# Altium PCB tester_board.PcbDoc (part 2 of 4) (continued)
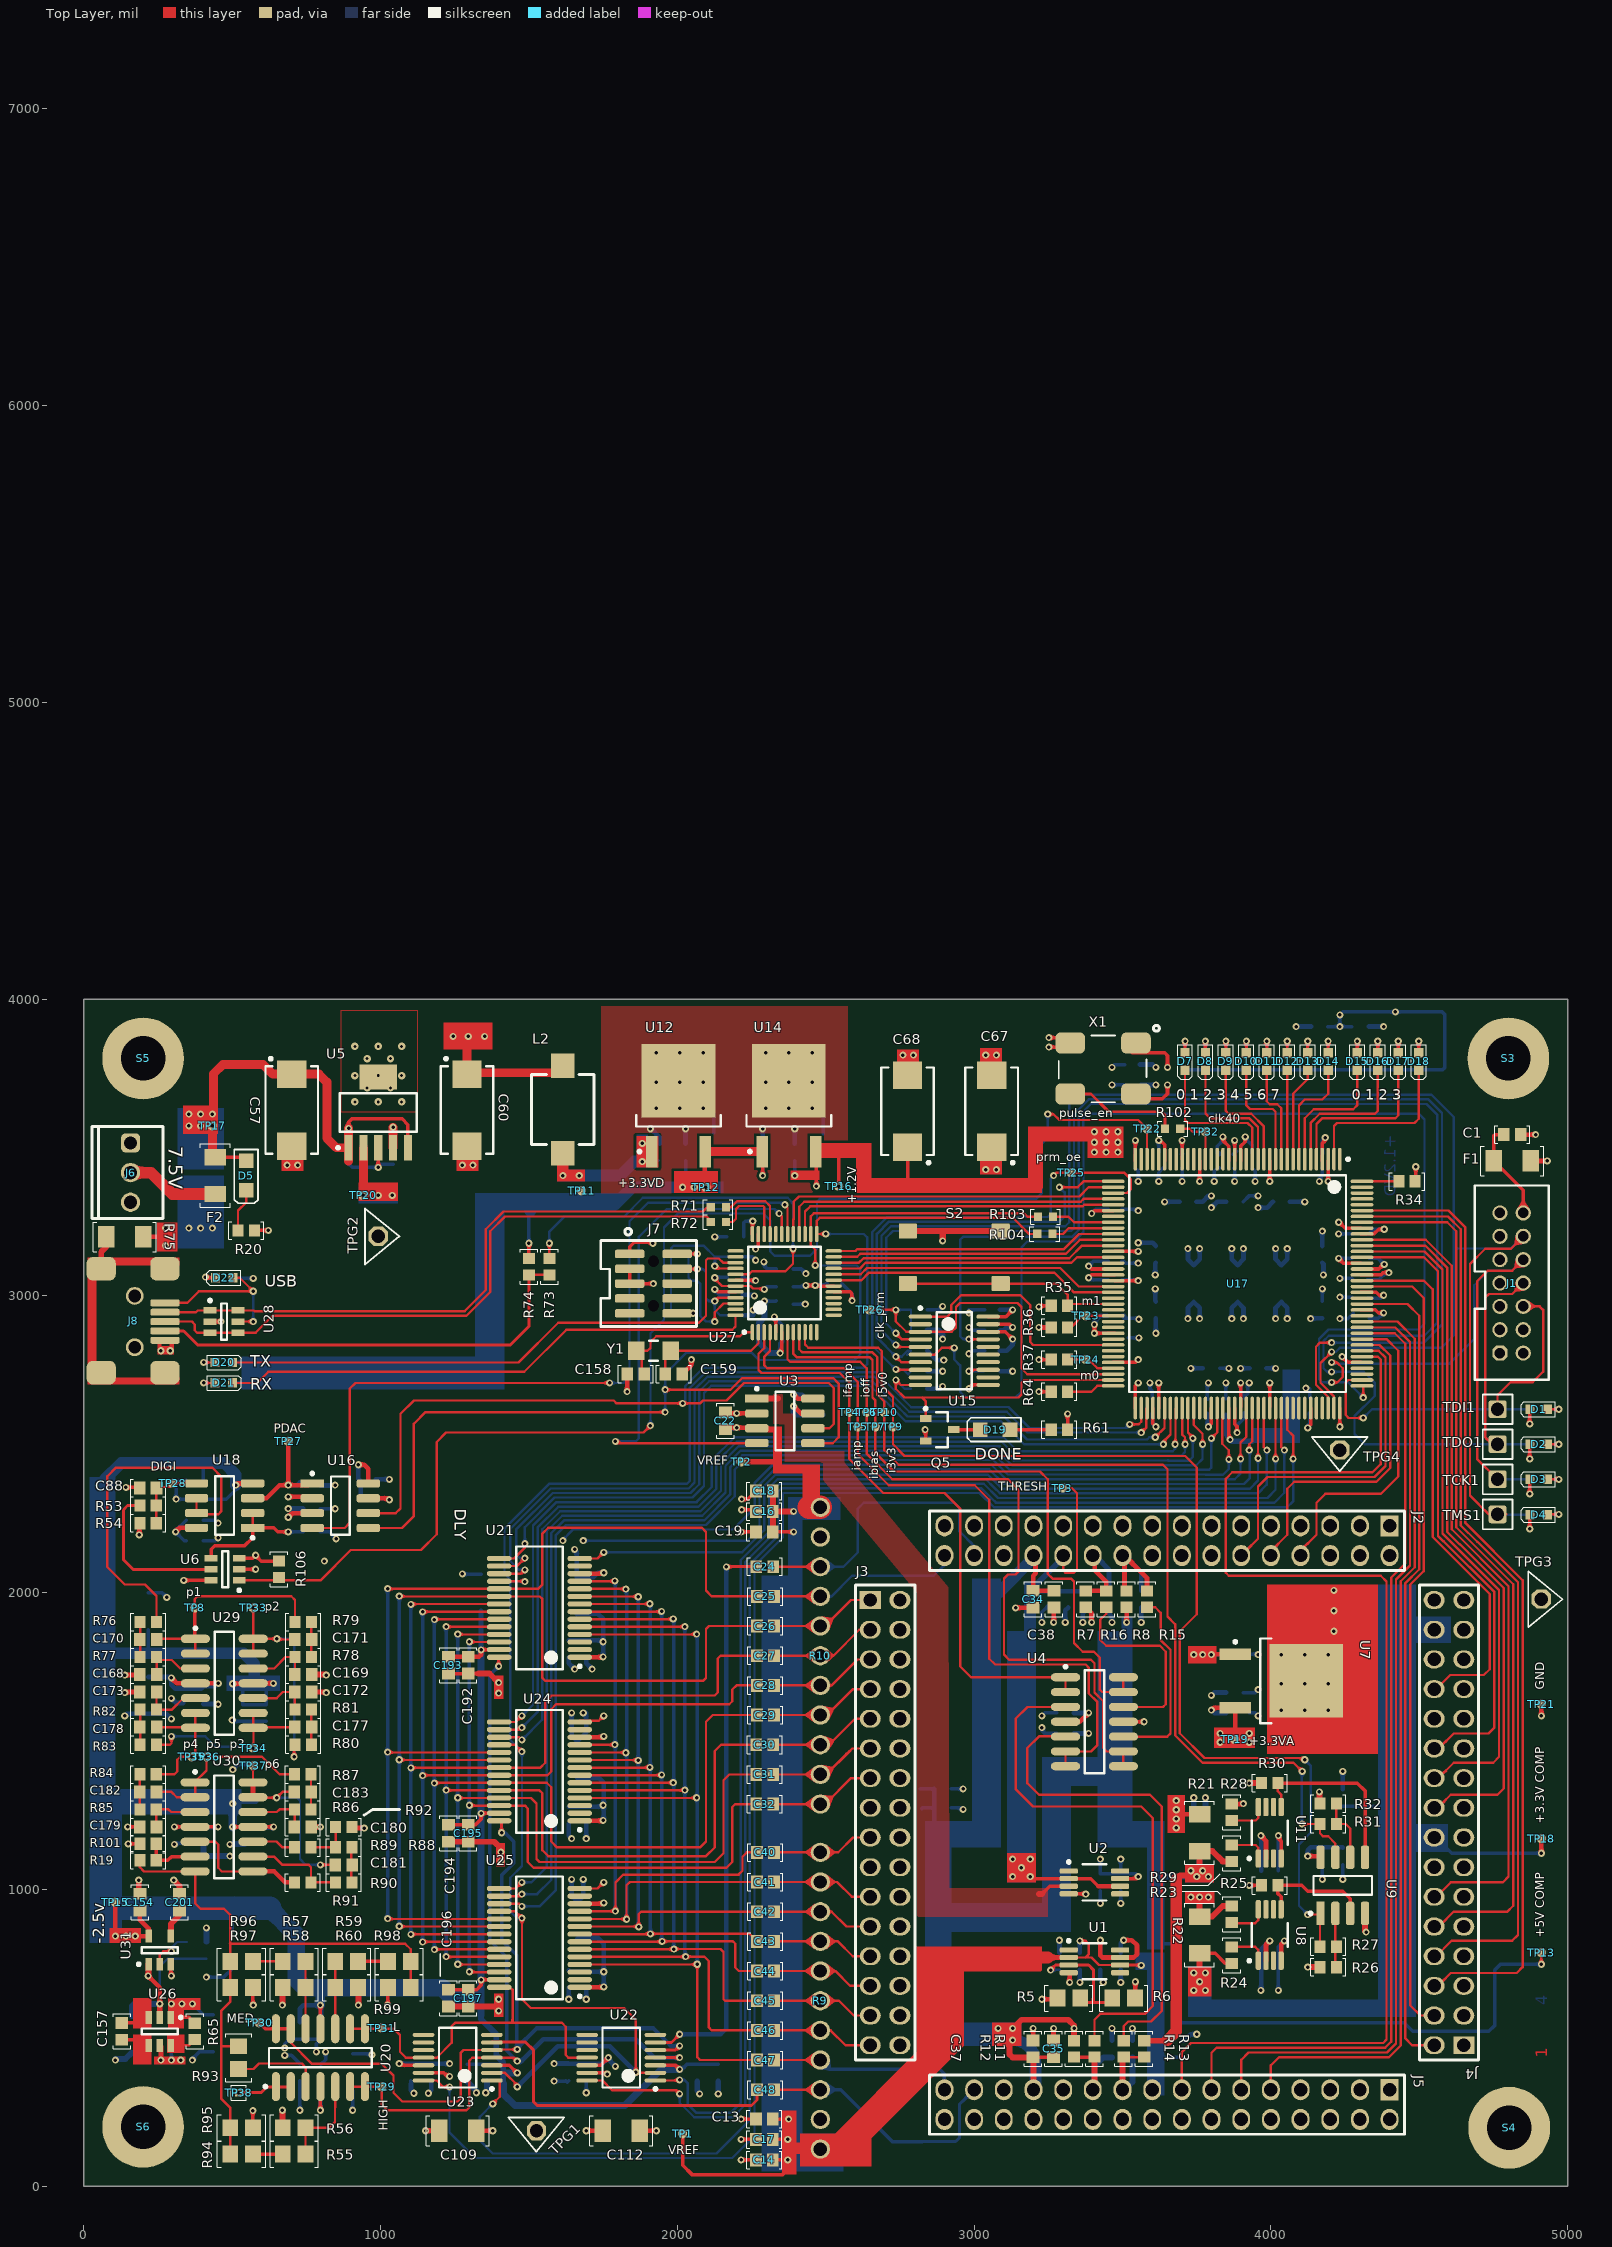
[diagram p0: Top Layer view]
## Nets (pads, with @x,y where several pads share a name; then routed paths per layer and width w, separated by ;. In a path a pad name is that pad's centre, name@x,y a point inside that pad or via, vN(x,y) a via of type N, cw(c..) or ccw(c..) an arc to the next point about the centre after c; other vN are vias at no path point)
3V3_COMP_SENSE: R27.1 TP9.1 U9.1 U27.10 | length 3785.4
  Top Layer w7.87: U27.10@2430.32,2877.71 2430.32,2836.06 2440.94,2825.43 2677.17,2825.43 2689.23,2813.37 2689.23,2696.85 2726.38,2659.7 TP9.1@2726.38,2559.06 2726.38,2500 2765.75,2460.63 3711.26,2460.63 3750,2421.89 3750,1926.91 3693.17,1870.08 3693.17,1526.13 3776.26,1443.04 4108.14,1443.04 v1(4114.17,1437.01) ; v1(4124.02,915.35) 4163.19,915.35 U9.1@4165.35,917.52 ; R27.1@4165.35,807.09 U9.1@4165.35,917.52 ; U9.1@4167.13,919.29 U9.1@4165.35,917.52
  Bottom Layer w7.87: v1(4114.17,1437.01) 4133.86,1417.32 4133.86,1190.94 4094.49,1151.57 4094.49,944.88 v1(4124.02,915.35)
5V_COMP_SENSE: R31.1 TP10.1 U9.7 U27.9 | length 3404.3
  Top Layer w7.87: U27.9@2410.63,2877.71 2410.63,2820.19 2421.26,2809.56 2657.48,2809.56 2673.35,2793.69 2673.35,2667.32 2696.85,2643.83 TP10.1@2696.85,2608.27 2696.85,2480.31 2746.06,2431.1 3636.33,2431.1 3651.57,2415.86 3651.57,1919.29 3677.29,1893.57 3677.29,1519.56 3769.69,1427.17 4076.17,1427.17 v1(4105.56,1397.77) ; v1(4104.33,1220.47) R31.1@4165.35,1220.47 4165.35,1188.98 4175.2,1179.13 4192.91,1179.13 4217.13,1154.92 U9.7@4217.13,1108.27
  Bottom Layer w7.87: v1(4104.33,1220.47) 4104.33,1396.54 v1(4105.56,1397.77)
+1V2D: C68.1 C81.2 C82.1 C130.1 C131.1 C132.1 C133.1 C134.1 C135.2 C136.2 C137.2 C138.2 C139.2 TP16.1 U14.3 U17.19 U17.28 U17.52 U17.89 U17.128 | length 1730.4
  Top Layer w11.81: v1(2395.67,3405.51) v1@2397.24,3407.09 ; U14.3@2466.14,3486.22 2468.5,3483.86 v1(2468.5,3370.08) ; v1(2543.31,3370.08) 2543.31,3484.25 2553.15,3494.09 ; 2775.59,3381.89 C68.1@2775.59,3500.98 ; v1(3385.83,3100.39) 3395.67,3090.55 U17.52@3468.5,3090.55 U17.52@3473.43,3090.55 ; U17.28@3700.79,3460.63 v1(3700.79,3523.62) ; U17.89@3858.27,2622.05 3858.27,2519.69 v1(3862.2,2515.75) ; U17.19@3877.83,3455.85 U17.19@3877.96,3455.72 ; U17.19@3877.95,3460.63 v1(3877.95,3523.62) ; U17.128@4302.17,3070.87 U17.128@4307.09,3070.87 4307.46,3071.24 4371.54,3071.24 4379.04,3078.74 v1(4397.64,3078.74)
  Top Layer w39.37: U14.3@2466.14,3486.22 2474.02,3494.09 2553.15,3494.09
  Bottom Layer w11.81: v1(2395.67,3405.51) C82.1@2395.67,3455.71 ; v1(2468.5,3370.08) C81.2@2468.5,3421.26 ; v1(3385.83,3100.39) 3401.77,3116.34 C135.2@3451.28,3116.34 ; C137.2@3700.3,3479.84 C137.2@3700.3,3482.38 3700.3,3523.13 v1(3700.79,3523.62) ; C131.1@3827.76,2755.91 v1(3858.26,2755.9) ; C138.2@3847.64,2601.77 3847.64,2530.31 v1(3862.2,2515.75) ; C134.1@3877.83,3480.61 3884.21,3486.99 3877.95,3493.24 v1(3877.95,3523.62) ; C132.1@3906.5,3316.93 3926.17,3336.61 v1(3956.69,3336.61) ; C133.1@4173.23,2981.3 v1(4173.23,3023.62) ; C136.2@4324.31,3053.84 C136.2@4325.3,3054.83 ; C136.2@4326.3,3053.84 4362.89,3053.84 4387.79,3078.74 v1(4397.64,3078.74)
  Bottom Layer w15: C137.2@3700.3,3477.85 C137.2@3701.29,3478.85 ; C134.1@3875.3,3476.52 3878.61,3479.83 C134.1@3877.83,3480.61
  Bottom Layer w15.75: v1(3610.24,3070.87) 3610.24,3109.25 C130.1@3612.2,3111.22 ; v1(3868.11,3159.45) 3868.11,3123.03 C139.2@3887.8,3103.35 3907.48,3123.03 v1(3907.48,3159.45)
  Bottom Layer w19.68: v1(3862.2,2515.75) 3867.93,2510.03 3935.22,2510.03 3952.76,2527.56
  other v1: 3405.51,3484.25 3444.88,3484.25 3484.25,3484.25 3405.51,3517.72 3444.88,3517.72 3484.25,3517.72 3405.51,3553.15 3444.88,3553.15 3484.25,3553.15
+3V3A: C55.2 C56.2 C62.2 C63.2 C65.2 C66.1 C73.2 C74.2 C75.2 C76.2 C160.2 C161.1 R22.1 R23.1 TP19.1 U4.4 U7.3 U8.2 U9.8 U11.2 U27.6 | length 2032.4
  Top Layer w11.81: v1(2346.46,2807.09) 2351.57,2812.2 U27.6@2351.57,2877.71
  Top Layer w15.75: U4.4@3308.07,1564.96 3356.3,1564.96 v1(3385.83,1594.49) ; v1(3799.21,1604.33) 3807.48,1612.6 U7.3@3879.92,1612.6 3879.92,1507.87 TP19.1@3877.95,1505.91 ; v1(3966.54,1181.1) 3983.27,1164.37 U11.2@3983.27,1104.33 ; U8.2@3983.27,759.84 3983.27,813.98 v1(3996.06,826.77) ; v1(4124.02,1112.2) 4163.19,1112.2 U9.8@4167.13,1108.27
  Top Layer w19.68: v1(3759.84,974.41) R22.1@3759.84,908.46 3802.17,908.46 3837.6,943.9 R23.1@3868.11,943.9
  Signal Layer 2 w19.68: v1(2293.31,2982.28) 2297.43,2978.16 2297.43,2820.68 2299.21,2818.9
  Signal Layer 2 w78.74: 4437.39,2006.28 4547.24,2116.14
  Bottom Layer w11.81: v1(2293.31,2982.28) 2331.15,2982.28 C160.2@2332.87,2984.01
  Bottom Layer w15.75: v1(2346.46,2807.09) 2346.46,2839.57 C161.1@2352.36,2845.47 C161.1@2352.36,2848.82 ; C56.2@3335.63,1525.59 v1(3385.83,1525.59) ; C55.2@3335.63,1594.49 v1(3385.83,1594.49) ; v1(3799.21,1604.33) 3809.06,1594.49 3849.41,1594.49 ; v1(3799.21,1653.54) 3809.06,1663.39 C66.1@3849.41,1663.39 ; v1(3966.54,659.45) 3967.52,660.43 C62.2@3967.52,708.66 C63.2@3967.52,777.56 3967.52,798.23 v1(3996.06,826.77) ; v1(3966.54,1181.1) 3967.52,1180.12 C73.2@3967.52,1131.89 C74.2@3967.52,1062.99 ; v1(4124.02,1112.2) 4124.02,1131.89 4133.86,1141.73 4241.14,1141.73 C75.2@4242.13,1140.75
  Bottom Layer w19.68: v1(2293.31,2982.28) 2293.31,2927.17 2275.59,2909.45 2275.59,2840.95 2309.45,2807.09 v1(2346.46,2807.09)
  other v1: 3730.31,974.41 3789.37,974.41 3828.74,1496.06 3927.17,1496.06 3828.74,1525.59 3927.17,1525.59
+3V3D: C67.1 C71.2 C72.1 C80.1 C83.2 C84.2 C85.2 C86.1 C87.1 C115.1 C116.1 C117.2 C118.1 C119.2 C120.2 C121.2 C122.2 C123.1 C124.2 C125.2 C126.2 C127.2 C128.2 C129.2 C140.1 C141.2 C142.2 C143.2 C144.1 C145.2 C146.2 C147.1 C148.2 C149.2 C150.2 C162.2 C163.1 C164.1 C165.1 F1.1 J7.1 R33.1 R35.2 R37.2 R38.2 R40.1 R41.1 R42.1 R43.1 R44.1 R45.1 R46.1 R47.1 R48.1 R49.1 R50.1 R51.1 R52.1 R61.1 R62.2 R63.2 R64.2 R66.2 R67.1 R68.1 R69.1 R74.2 TP12.1 U12.3 U14.1 U15.18 U15.19 U15.20 U17.4 U17.18 U17.20 U17.31 U17.36 U17.42 U17.53 U17.63 U17.76 U17.86 U17.90 U17.103 U17.122 U17.125 U17.129 U17.135 U27.17 U27.36 U27.44 X1.1 X1.4 | length 7821.7
  Top Layer w11.81: R74.2@1500,3125.98 v1(1500,3177.17) ; J7.1@1839.29,3141.34 1839.29,3166.06 1854.33,3181.1 1913.39,3181.1 v1(1917.32,3177.17) ; v1(2125.98,3021.65) 2130.36,3021.65 2138.48,3013.53 U27.44@2196.06,3013.53 ; U27.36@2252.9,3208.66 U27.36@2253.15,3208.42 2253.15,3251.15 v1(2254,3252) ; U14.1@2285.83,3486.22 2287.4,3484.65 v1(2287.4,3405.51) ; U27.17@2526.77,3013.53 2582.53,3013.53 2588.19,3007.87 2588.19,2989.37 2583.08,2984.25 v1(2588.78,2984.25) ; U15.18@3047.24,2878.94 3105.31,2878.94 v1(3129.92,2854.33) ; U15.19@3047.24,2904.53 3119.09,2904.53 v1(3129.92,2893.7) ; U15.20@3047.24,2930.12 3107.28,2930.12 v1(3129.92,2952.76) ; v1(3218.5,2677.17) R64.2@3259.84,2677.17 ; v1(3218.5,2785.43) R37.2@3259.84,2785.43 ; v1(3218.5,2962.6) 3222.67,2966.77 R35.2@3259.84,2966.77 ; R61.1@3314.96,2549.21 v1(3314.96,2602.36) ; v1(3385.83,3061.02) 3395.67,3070.87 U17.53@3468.5,3070.87 U17.53@3473.43,3070.87 ; v1(3395.67,3277.56) 3405.51,3287.4 U17.42@3468.5,3287.4 ; v1(3405.51,2903.54) v1(3405.51,2874.02) U17.63@3468.5,2874.02 U17.63@3473.43,2874.02 ; X1.4@3533.46,3663.9 3634.37,3663.9 3651.57,3681.1 v1(3651.57,3710.63) ; X1.1@3533.46,3818.9 3641.73,3818.9 3651.57,3809.06 v1(3651.57,3769.69) ; U17.36@3543.31,3455.71 U17.36@3543.31,3460.63 v1(3543.31,3523.62) ; U17.76@3602.36,2622.05 3602.36,2568.9 v1(3612.2,2559.06) ; v1@3622.05,3518.17 3633.38,3518.17 3641.73,3509.81 U17.31@3641.73,3460.63 U17.31@3641.73,3455.71 ; v1(3789.36,2559.05) 3799.21,2568.9 U17.86@3799.21,2622.05 ; v1(3838.58,3535.43) 3838.58,3523.62 3858.27,3503.94 U17.20@3858.27,3455.71 ; U17.90@3877.95,2622.05 3877.95,2567.87 3885.83,2559.99 v1(3885.83,2539.37) ; U17.18@3897.64,3455.71 U17.18@3897.64,3460.63 3897.64,3503.94 3913.39,3519.69 v1(3913.39,3535.43) ; v1(4124.02,2555.28) 4133.86,2565.12 U17.103@4133.86,2622.05 ; U17.4@4173.23,3455.71 4173.23,3513.78 4183.07,3523.62 v1(4183.07,3533.46) ; U17.122@4302.17,2952.76 4351.38,2952.76 4361.22,2942.91 v1(4379.92,2942.91) ; U17.125@4302.17,3011.81 U17.125@4307.09,3011.81 4354.82,3011.81 4364.67,3001.97 v1(4379.92,3001.97) ; U17.129@4302.17,3090.55 4363.54,3090.55 4379.29,3106.3 v1(4381.89,3106.3) ; U17.135@4302.17,3208.66 U17.135@4307.09,3208.66 4307.46,3209.04 4347.57,3209.04 4362.94,3224.41 v1(4381.89,3224.41)
  Top Layer w15.75: 2037.4,3405.51 2087.8,3405.51 2092.13,3409.84 U12.3@2092.13,3486.22 ; F1.1@4875,3454.72 v1(4931.1,3454.72)
  Top Layer w30: U12.3@2094.09,3486.22 U14.1@2285.83,3486.22
  Bottom Layer w11.81: R68.1@500,2706.69 541.34,2706.69 551.18,2696.85 ; R67.1@500,2775.59 547.24,2775.59 ; v1(1500,3177.17) 1500,3301.46 1503.94,3305.4 ; C72.1@2027.56,3455.71 2027.56,3385.83 2037.4,3375.98 2035.43,3374.02 ; C71.2@2096.46,3422.24 2096.46,3399.61 2114.17,3381.89 ; R66.2@2221.65,3131.64 2252.21,3131.64 v1(2263.78,3120.08) ; C165.1@2223.43,3198.82 2223.43,3247.05 2228.38,3252 v1(2254,3252) ; v1(2287.4,3405.51) C80.1@2287.4,3455.71 ; v1(2291.34,3114.17) 2291.34,3102.36 2303.15,3090.55 C164.1@2333.66,3090.55 ; C162.2@2554.73,3041.34 2588.78,3007.28 v1(2588.78,2984.25) ; R40.1@2842.52,2952.76 2881.89,2952.76 v1(2893.7,2964.57) ; v1(3385.83,3061.02) 3393.01,3053.84 C128.2@3449.3,3053.84 ; v1(3395.67,3277.56) 3409.45,3291.34 C146.2@3446.75,3291.34 C146.2@3451.28,3291.34 ; v1(3405.51,2874.02) C149.2@3446.46,2874.02 ; C128.2@3450.29,3052.85 C128.2@3451.28,3053.84 ; C127.2@3543.31,3479.72 C127.2@3543.31,3484.25 v1(3543.31,3523.62) ; C142.2@3599.7,2604.43 C142.2@3599.7,2599.9 3599.7,2571.56 v1(3612.2,2559.06) ; C120.2@3622.05,3483.27 v1(3622.05,3523.62) ; R41.1@3710.63,3761.81 R42.1@3779.53,3761.81 R43.1@3848.43,3761.81 R44.1@3917.32,3761.81 R45.1@3986.22,3761.81 R46.1@4055.12,3761.81 R47.1@4124.02,3761.81 R48.1@4192.91,3761.81 R49.1@4291.34,3761.81 R50.1@4360.24,3761.81 R51.1@4429.13,3761.81 R52.1@4498.03,3761.81 4578.74,3761.81 4586.61,3769.69 4586.61,3946.85 4576.77,3956.69 v1(4419.29,3956.69) 4242.13,3956.69 v1(4232.28,3946.85) v1(4232.28,3907.48) ; C148.2@3785.14,2604.31 3785.14,2569.19 3789.36,2564.97 v1(3789.36,2559.05) ; C129.2@3818.9,3480.72 3818.9,3503.94 3838.58,3523.62 v1(3838.58,3535.43) ; v1(3885.83,2539.37) 3885.83,2563.87 3910.14,2588.18 C145.2@3910.14,2606.3 ; v1(3913.39,3535.43) 3913.39,3532.66 3912.21,3531.49 3937.01,3506.69 C150.2@3937.01,3480.72 ; v1(4124.02,2555.28) 4131.2,2562.46 C125.2@4131.2,2599.9 ; C119.2@4173.23,3489.17 4173.23,3523.62 v1(4183.07,3533.46) ; C87.1@4191.93,3907.48 v1(4232.28,3907.48) ; C86.1@4272.64,3907.48 v1(4232.28,3907.48) ; C121.2@4324.31,2991.34 C121.2@4331.69,2991.34 ; C141.2@4326.18,3208.66 C141.2@4330.71,3208.66 4346.46,3224.41 v1(4381.89,3224.41) ; C124.2@4331.69,2925.2 4362.2,2925.2 v1(4379.92,2942.91) ; C121.2@4331.69,2992.13 4370.08,2992.13 v1(4379.92,3001.97) ; C126.2@4331.69,3125.98 4362.2,3125.98 v1(4381.89,3106.3)
  Bottom Layer w15: C129.2@3825.3,3477.85 C129.2@3825.3,3480.72 ; C125.2@4131.2,2599.9 C125.2@4131.2,2604.43 ; C119.2@4173.23,3479.72 C119.2@4173.23,3489.17
  Bottom Layer w15.75: v1(2125.98,3021.65) 2143.95,3003.69 C163.1@2165.55,3003.69 C163.1@2168.89,3003.69 ; R69.1@2223.62,2934.79 2255.91,2934.79 v1(2255.91,2952.76) ; R62.2@2842.52,2687.01 2885.83,2687.01 v1(2893.7,2694.88) ; R38.2@2842.52,2746.06 v1(2893.7,2746.06) ; R63.2@2842.52,2814.96 2874.02,2783.46 v1(2897.64,2783.46) ; C84.2@3087.02,2814.96 C84.2@3089.57,2814.96 3110.24,2814.96 3129.92,2834.65 v1(3129.92,2854.33) ; C85.2@3087.02,2883.86 C85.2@3089.57,2883.86 3100.39,2883.86 3110.24,2893.7 v1(3129.92,2893.7) ; C83.2@3087.02,2952.76 C83.2@3089.57,2952.76 v1(3129.92,2952.76) ; R33.1@3088.58,2746.06 v1(3129.92,2746.06) ; v1(3405.51,2903.54) 3405.51,2913.39 3425.2,2933.07 C143.2@3448.41,2933.07 ; C116.1@3558.66,3779.53 C116.1@3562.01,3779.53 3602.36,3779.53 v1(3612.2,3769.69) ; C115.1@3562.01,3710.63 v1(3612.2,3710.63) ; v1(3612.2,2874.02) C144.1@3612.2,2924.21 ; v1(3641.73,3316.93) C118.1@3691.93,3316.93 ; v1(3720.47,3159.45) 3720.47,3123.03 C117.2@3740.16,3103.35 3759.84,3123.03 v1(3759.84,3159.45) ; v1(3897.64,2755.91) C123.1@3928.15,2755.91 ; v1(3956.69,3297.24) 3987.2,3297.24 C140.1@4006.89,3316.93 ; v1(4015.75,3159.45) 4015.75,3123.03 C122.2@4035.43,3103.35 4055.12,3123.03 v1(4055.12,3159.45) ; C147.1@4173.23,3111.22 4177.17,3107.28 v1(4177.17,3070.87)
  Bottom Layer w39.37: 547.24,2775.59 606.3,2775.59 608.27,2777.56 620.08,2765.75 ; 1503.94,3285.43 1503.94,3305.4 1787.4,3305.4 1848.14,3366.14 1994.44,3366.14
  other v1: 2017.72,3366.14 2057.09,3366.14 2096.46,3366.14 3039.37,3425.2 3074.8,3425.2
+3V3D_COMP: C49.2 C50.2 C51.2 C52.2 J4.16 J4.30 R22.2 R24.1 TP18.1 | length 1371.6
  Top Layer w11.81: R22.2@3759.84,784.45 3812.01,784.45 3845.47,750.98 R24.1@3868.11,750.98
  Top Layer w15: v1(4911.42,1122.05) TP18.1@4911.42,1171.26
  Top Layer w19.68: 3759.84,728.35 R22.2@3759.84,784.45
  Bottom Layer w11.81: C52.2@4242.13,1280.51 4390.75,1280.51 4399.61,1289.37 ; J4.16@4556.89,1175 4609.84,1122.05 v1(4911.42,1122.05)
  Bottom Layer w19.68: C51.2@4310.04,2007.87 4405.64,2007.87 ; C49.2@4317.34,1870.08 C49.2@4319.88,1870.08 4419.29,1870.08 4424.21,1875 ; C50.2@4317.34,1938.98 C50.2@4319.88,1938.98 4395.8,1938.98 4405.64,1929.13
  Bottom Layer w39.37: 4379.92,1175 J4.16@4550,1175 J4.16@4556.89,1175 ; 4424.21,1875 J4.30@4550,1875 J4.30@4556.89,1875
  other v1: 3740.16,659.45 3779.53,659.45 3759.84,688.98 3740.16,718.5 3779.53,718.5
+5VA: C3.1 C4.2 C8.1 C9.2 C20.1 C21.2 C60.1 C64.1 C91.2 C92.2 C93.2 C94.2 C95.2 C97.1 C98.2 C99.2 C100.1 C101.2 C102.2 C103.1 C104.2 C105.2 C106.1 C107.2 C108.2 C109.1 C110.2 C111.2 C112.1 C113.2 C114.2 C151.2 C152.2 C174.1 C175.2 C176.2 C184.2 C185.2 L2.1 R5.1 R21.1 R28.1 R65.2 TP20.1 U1.7 U2.7 U3.8 U5.2 U6.2 U7.1 U16.3 U16.8 U18.8 U20.4 U21.1 U22.12 U23.12 U24.1 U25.1 U26.1 U29.4 U30.4 | length 5531.4
  Top Layer w11.81: U26.1@293.31,568.9 354.33,568.9 R65.2@374.02,549.21 ; v1(305.12,1210.63) U30.4@375,1210.63 v1(452.76,1210.63) ; U6.2@523.62,2078.74 v1(578.74,2078.74) ; v1(797.24,255.91) U20.4@797.24,335.63 ; v1(1062.99,413.39) 1068.9,407.48 U23.12@1144.69,407.48 ; U24.1@1669.29,1231.3 U24.1@1671.26,1231.3 ; U21.1@1669.29,1782.48 U21.1@1671.26,1782.48 ; U22.12@1695.87,407.48 1742.13,407.48 v1(1767.72,433.07) ; v1@1749.02,1231.3 v1(1750,1232.28) ; v1@1749.02,1282.48 v1(1750,1283.46) ; v1@1749.02,1782.48 v1(1750,1783.46) ; v1@1749.02,1833.66 v1(1750,1834.65) ; v1@1750.98,721.46 v1(1751.97,722.44) ; U2.7@3492.13,1036.42 3546.26,1036.42 v1(3553.15,1043.31)
  Top Layer w15.75: U26.1@293.31,568.9 295.28,570.87 v1(295.28,614.17) ; v1(295.28,1712.6) 313.39,1694.49 U29.4@375.98,1694.49 v1(453.74,1694.49) ; v1(309.06,2204.72) 322.64,2218.31 U18.8@379.92,2218.31 ; v1(688.98,2253.94) 702.99,2267.95 U16.3@769.68,2267.95 ; v1(925.2,2431.1) 944.88,2431.1 958.66,2417.32 U16.8@958.66,2367.95 ; v1(1151.57,187.01) C109.1@1197.83,187.01 ; U25.1@1671.26,670.28 1750.98,670.28 v1(1751.97,671.26) ; U24.1@1671.26,1231.3 v1@1749.02,1231.3 ; U21.1@1671.26,1782.48 v1@1749.02,1782.48 ; v1(1692.91,187.01) C112.1@1749.02,187.01 ; v1(2391.73,2667.32) 2405.31,2653.74 U3.8@2456.69,2653.74 ; v1(3228.35,629.92) R5.1@3278.54,629.92 ; v1(3425.2,828.74) 3425.2,777.56 3432.09,770.67 U1.7@3492.13,770.67 3538.03,770.67 3549.03,781.68 3549.03,811.2 3531.5,828.74 v1(3503.94,828.74) ; 3698.47,1252.95 R21.1@3759.84,1252.95 R21.1@3743.11,1269.68 ; v1(3799.21,1791.34) 3800.79,1792.91 U7.1@3879.92,1792.91 ; R28.1@3868.11,1287.4 3905.51,1287.4 v1(3907.48,1289.37)
  Top Layer w30: 942.13,3370.08 U5.2@942.13,3499.02 ; C60.1@1291.34,3747.05 1291.34,3866.14 v1@1303.15,3877.95 ; C60.1@1314.96,3751.97 L2.1@1614.17,3751.97
  Bottom Layer w11.81: C152.2@295.28,546.26 v1(295.28,614.17) ; v1(305.12,1210.63) 331.12,1210.63 C185.2@334.65,1207.1 ; C95.2@345.47,2175.2 338.58,2175.2 v1(309.06,2204.72) 309.06,2207.68 C94.2@345.47,2244.09 ; v1(366.14,614.17) 402.56,577.76 C151.2@437.01,577.76 ; v1(728.35,255.91) C99.2@728.35,355.32 ; v1(905.51,255.91) C97.1@905.51,321.85 ; v1(3425.2,1102.36) C21.2@3425.2,1052.17 C20.1@3494.09,1052.17 ; v1(3494.09,1102.36) C20.1@3494.09,1052.17 ; v1(3553.15,1043.31) 3544.29,1052.17 C20.1@3494.09,1052.17
  Bottom Layer w15.75: C174.1@217.52,1715.55 292.32,1715.55 v1(295.28,1712.6) 295.28,1689.54 308.06,1676.76 396.24,1676.76 403.54,1684.06 443.31,1684.06 v1(453.74,1694.49) ; C184.2@403.54,1209.65 451.77,1209.65 v1(452.76,1210.63) ; v1(688.98,2283.46) C92.2@739.17,2283.46 ; v1(797.24,255.91) C98.2@797.24,355.32 ; v1(925.2,2431.1) 925.2,2382.87 C91.2@926.18,2381.89 932.66,2375.41 C93.2@932.66,2317.95 ; v1(1062.99,413.39) 1063.98,412.4 C110.2@1102.36,412.4 C111.2@1171.26,412.4 1231.3,412.4 v1(1232.28,413.39) ; v1(1584.65,413.39) 1632.87,413.39 1633.86,412.4 C114.2@1692.91,412.4 1747.05,412.4 v1(1767.72,433.07) 1767.72,427.17 v1(1791.34,403.54) ; C107.2@1633.86,727.36 1638.78,722.44 v1(1751.97,722.44) ; C105.2@1633.86,1278.54 C104.2@1692.91,1278.54 v1@1745.08,1278.54 ; C101.2@1633.86,1839.57 C102.2@1692.91,1839.57 1745.08,1839.57 v1(1750,1834.65) ; C100.1@1661.26,1927.99 1662.4,1929.13 1732.28,1929.13 1750,1911.42 v1(1750,1834.65) ; C106.1@1663.39,833.66 1666.34,836.61 1732.28,836.61 1751.97,816.93 v1(1751.97,722.44) ; C103.1@1663.39,1375 1736.22,1375 1751.97,1359.25 1751.97,1234.25 v1(1750,1232.28) ; v1(1750,1783.46) v1(1750,1834.65) ; v1(1751.97,671.26) v1(1751.97,722.44) ; v1(2391.73,2667.32) 2420.28,2667.32 C9.2@2431.1,2656.5 C8.1@2490.16,2656.5 ; C4.2@3425.2,786.42 v1(3425.2,828.74) ; C3.1@3494.09,786.42 3494.09,818.9 v1(3503.94,828.74) ; v1(3799.21,1791.34) 3800.79,1792.91 C64.1@3851.38,1792.91
  other v1: 330.71,614.17 3681.1,1207.04 3681.1,1237.76 3681.1,1268.49 3681.1,1299.21 3740.16,1791.34 3769.69,1791.34 940.94,3338.58 992.13,3338.58 1039.37,3338.58 1244.09,3874.02 1295.28,3874.02 1350.39,3874.02
+5VA_COMP: C33.2 C34.2 C35.2 C36.2 C37.2 C38.2 C39.1 J2.26 J3.15 J5.25 R8.2 R12.1 R13.2 R21.2 R29.1 TP13.1 | length 4245
  Top Layer w7.87: v1(4911.42,748.03) TP13.1@4911.42,787.4
  Top Layer w11.81: C37.2@3198.82,434.06 C35.2@3267.72,434.06
  Top Layer w15.75: J2.26@3206.89,2125 3206.89,2065.16 3198.82,2057.09 C34.2@3198.82,2006.89 C38.2@3268.7,2006.89 ; v1(3513.78,1899.61) R8.2@3513.78,1950.79
  Top Layer w19.68: 3108.42,483.22 3118.68,472.96 3118.68,444.31 3128.94,434.06 C37.2@3198.82,434.06 3200,432.87 J5.25@3200,325 ; v1(3129.92,531.5) 3159.45,561.02 3316.93,561.02 3336.61,541.34 v1(3336.61,531.5) R12.1@3336.61,490.16 ; R13.2@3572.83,490.16 3649.61,490.16 3651.57,492.13 ; 3681.1,1033.46 3694.17,1046.53 3713.86,1046.53 ; 3759.84,1082.68 R21.2@3759.84,1128.94 3802.95,1128.94 3837.4,1094.49 R29.1@3868.11,1094.49
  Top Layer w39.37: 3651.57,492.13 3681.1,521.65 3681.1,1033.46
  Bottom Layer w11.81: 2818.9,1338.58 C36.2@2865.16,1338.58 ; 2822.83,1271.65 2826.18,1275 C33.2@2865.16,1275 ; 3612.2,816.93 3671.26,816.93 3690.94,797.24 3690.94,561.02 3700.79,551.18 4448.82,551.18 4478.35,521.65 4734.25,521.65 4753.94,541.34 4753.94,728.35 4773.62,748.03 v1(4911.42,748.03)
  Bottom Layer w15.75: 2865.16,1219.49 C33.2@2865.16,1275 C36.2@2865.16,1338.58
  Bottom Layer w19.68: 3612.2,1043.31 3730.31,1043.31 ; 3759.84,1072.83 C39.1@3759.84,1128.94
  Bottom Layer w39.37: 3080.71,1998.03 J2.26@3206.89,2124.21 ; v1(3129.92,492.13) cw(c3129.92,415.16) 3206.89,415.16 J5.25@3206.89,325 ; C39.1@3757.87,1126.97 C39.1@3759.84,1128.94
  other v1: 3080.71,492.13 3080.71,531.5 3750,1043.31 3789.37,1043.31 3730.31,1062.99 3769.69,1062.99
+5VD: TP11.1
+V_IN: C57.1 C59.1 D5.A D6.K F2.2 TP17.1 U5.1 U5.5 | length 1532.7
  Top Layer w11.81: F2.2@442.91,3467.52 535.24,3467.52 D5.A@547.24,3455.51 ; v1(892.13,3564.57) 892.13,3585.04 903.6,3596.52 1072.78,3596.52 1092.13,3577.17 U5.5@1092.13,3499.02
  Top Layer w30: v1(433.07,3572.83) 433.07,3457.68 F2.2@442.91,3467.52 ; 437.01,3633.86 437.01,3748.03 468.5,3779.53 604.38,3779.53 636.86,3747.05 C57.1@700.79,3747.05 792.32,3747.05 818.9,3720.47 818.9,3531.5 851.38,3499.02 U5.1@892.13,3499.02 ; 892.13,3455.12 U5.1@892.13,3499.02 ; v1(892.13,3564.57) U5.1@892.13,3499.02
  Bottom Layer w11.81: v1(892.13,3564.57) 893.7,3562.99 C59.1@893.7,3500.98
  other v1: 354.33,3572.83 393.7,3572.83 354.33,3612.2 393.7,3612.2 433.07,3612.2
+VCCUSB: D22.A J8.1 U28.5 | length 554
  Top Layer w7.87: J8.1@273.57,2976.37 348.42,2976.37 387.8,3015.75 v1(570.87,3015.75) 525.59,3061.02 D22.A@502.75,3061.02 ; U28.5@519.68,2913.39 v1(570.87,2913.39)
  Bottom Layer w7.87: v1(570.87,2913.39) v1(570.87,3015.75)
+VDDCORE: C166.1 C167.1 U27.43 | length 273.7
  Top Layer w7.87: v1(2125.98,3061.02) 2125.98,3057.58 2150.34,3033.22 U27.43@2196.06,3033.22 2246.31,3033.22 2254.92,3024.61 2290.35,3024.61 v1(2293.31,3021.65)
  Bottom Layer w11.81: v1(2125.98,3061.02) 2127.71,3062.75 C167.1@2168.89,3062.75 ; v1(2293.31,3021.65) 2303.15,3031.5 C166.1@2333.66,3031.5
-5VA: C58.2 C77.2 C78.2 C79.1 C153.2 C154.2 C186.1 C187.1 C188.1 C189.2 C190.1 C191.1 C192.2 C193.2 C194.2 C195.2 C196.2 C197.2 C198.2 C199.2 C202.2 C203.2 C204.1 TP15.1 U18.4 U20.11 U21.27 U22.3 U23.3 U24.27 U25.27 U29.11 U30.11 U31.5 | length 7716.6
  Top Layer w11.81: v1(501.97,1210.63) U30.11@569.88,1210.63 v1(639.76,1210.63) ; U20.11@797.24,530.51 v1(797.24,610.24) ; C196.2@1228.35,662.4 C197.2@1295.28,662.4 1323.82,662.4 1338.58,677.17 v1(1338.58,694.88) 1339.57,695.87 U25.27@1397.64,695.87 ; C194.2@1228.35,1217.52 C195.2@1295.28,1217.52 1319.88,1217.52 1338.58,1236.22 v1(1338.58,1255.91) 1339.57,1256.89 U24.27@1397.64,1256.89 ; v1(1338.58,1807.09) 1339.57,1808.07 U21.27@1397.64,1808.07 ; U23.3@1375,407.48 1433.07,407.48 1458.66,381.89 v1(1460.63,381.89) ; U22.3@1926.18,407.48 1994.09,407.48 v1(2007.87,393.7)
  Top Layer w15.75: TP15.1@106.3,956.69 v1(106.3,842.52) v1(141.73,842.52) v1(173.23,842.52) U31.5@218.5,842.52 218.5,868.11 188.98,897.64 C154.2@188.98,928.15 ; v1(501.97,1692.91) U29.11@569.29,1692.91 ; v1(511.81,2362.2) 517.91,2368.31 U18.4@568.9,2368.31 ; U29.11@570.87,1694.49 v1(638.78,1694.49) ; C193.2@1228.35,1784.45 C192.2@1295.28,1784.45 1331.69,1784.45 1338.58,1791.34 v1(1338.58,1807.09)
  Bottom Layer w11.81: C78.2@216.54,1875 216.54,1799.21 220.47,1795.28 ; C58.2@402.56,2314.96 480.31,2314.96 511.81,2346.46 v1(511.81,2362.2) ; C77.2@402.56,2377.95 402.56,2434.06 405.51,2437.01 ; C153.2@500,857.28 500,929.13 507.87,937.01 ; v1(501.97,1210.63) 502.95,1209.65 C187.1@541.34,1209.65 ; 535.43,1681.1 C204.1@535.43,1623.03 C79.1@614.17,1623.03 614.17,1677.17 ; C188.1@610.24,1206.3 635.44,1206.3 v1(639.76,1210.63) ; C198.2@1291.34,410.43 C199.2@1358.27,410.43 1410.43,410.43 1413.39,407.48 ; v1(2007.87,393.7) 2015.75,393.7 2032.48,410.43 C202.2@2078.74,410.43 C203.2@2137.8,410.43
  Bottom Layer w15.75: v1(501.97,1289.37) 508.86,1296.26 C186.1@580.71,1296.26 ; C191.1@728.35,552.17 728.35,598.43 740.16,610.24 v1(797.24,610.24) 799.21,608.27 C190.1@799.21,552.17 ; v1(1338.58,1807.09) C189.2@1338.58,1937.99
  Bottom Layer w19.68: 1338.58,574.8 1338.58,562.99 1389.76,511.81 1389.76,440.94 1413.39,417.32 1413.39,407.48 1413.39,383.86 1413.39,346.46
  Bottom Layer w23.62: 1338.58,574.8 v1(1338.58,694.88) v1(1338.58,1255.91) v1(1338.58,1807.09) ; 1413.39,346.46 1413.39,311.02 1452.76,271.65 1822.83,271.65 1944.88,393.7 v1(2007.87,393.7) ; 1413.39,383.86 1415.35,381.89 v1(1460.63,381.89)
  Bottom Layer w29.53: v1(501.97,1210.63) v1(501.97,1289.37)
  Bottom Layer w31.5: 783.46,669.29 797.24,655.51 v1(797.24,610.24)
  Bottom Layer w39.37: 70.87,2374.02 70.87,2381.89 125.98,2437.01 405.51,2437.01 472.44,2437.01 511.81,2397.64 v1(511.81,2362.2) ; 98.43,1795.28 220.47,1795.28 539.37,1795.28 574.8,1759.84 574.8,1692.91
  Bottom Layer w55.12: 1318.9,633.86 1322.83,629.92
  Bottom Layer w59.06: 487.2,1304.13 v1(501.97,1289.37) ; 625.98,937.01 716.54,846.46 716.54,696.85 744.09,669.29 783.46,669.29 1208.66,669.29 1244.09,633.86 1318.9,633.86
  Bottom Layer w78.74: 78.74,937.01 507.87,937.01 625.98,937.01
-5Vout: C155.1 C200.2 R100.2 U26.2 U31.1 | length 661.1
  Top Layer w15: U31.1@218.5,748.03 216.54,746.06 v1(216.54,708.66) 255.91,669.29 v1(255.91,614.17)
  Top Layer w19.68: v1(216.54,708.66) 218.5,710.63 U31.1@218.5,748.03 ; U26.2@255.91,568.9 v1(255.91,614.17)
  Bottom Layer w7.87: v1(255.91,614.17) 255.91,740.16 282.48,766.73 C200.2@413.39,766.73
  Bottom Layer w19.68: C155.1@161.42,573.82 161.42,606.3 169.29,614.17 v1(255.91,614.17)
\RESET: J7.10 R66.1 U27.40 | length 659
  Top Layer w7.87: J7.10@1999.29,2941.34 v1(2053.23,2941.34) ; v1(2125.98,3100.39) 2134.09,3092.27 U27.40@2196.06,3092.27
  Bottom Layer w7.87: v1(2053.23,2941.34) 1989.76,2941.34 1978.35,2952.76 1978.35,3159.45 1988.19,3169.29 2088.34,3169.29 2125.98,3131.64 2137.55,3131.64 ; v1(2125.98,3100.39) 2125.98,3116.61 2127.71,3118.34 2125.98,3120.06 ; 2125.98,3120.08 2137.55,3131.64 ; R66.1@2166.54,3131.64 2137.55,3131.64
CDAC_E\N\: U3.4 U27.31 | length 1831.4
  Top Layer w7.87: v1(1791.34,2509.84) 1797.44,2503.74 U3.4@2267.72,2503.74 ; v1(2342.52,3277.56) 2351.57,3268.5 U27.31@2351.57,3208.42
  Bottom Layer w7.87: v1(1791.34,2509.84) 1860.24,2509.84 1870.08,2519.69 1870.08,3198.82 1964.07,3292.81 2327.27,3292.81 v1(2342.52,3277.56)
CLK40: R102.1 TP32.1 U17.24 | length 181.6
  Top Layer w7.87: R102.1@3694.49,3562.99 3726.38,3562.99 3736.22,3553.15 TP32.1@3779.53,3553.15 U17.24@3779.53,3460.63
CLK_IN: U17.47 U27.23 | length 965.5
  Top Layer w7.87: U27.23@2526.77,3131.64 2606.18,3131.64 2616.64,3142.11 3309.43,3142.11 3356.3,3188.98 U17.47@3468.5,3188.98
CLK_PROM: R39.2 R40.2 TP26.1 U15.3 U17.70 | length 1313.1
  Top Layer w7.87: TP26.1@2647.64,2952.76 v1(2736.22,2952.76) 2736.22,2913.82 2771.11,2878.94 U15.3@2818.9,2878.94 2924.34,2878.94 2939.1,2893.7 2939.1,2962.6 2952.76,2976.25 3145.8,2976.25 3159.45,2962.6 3159.45,2755.91 3179.13,2736.22 U17.70@3468.5,2736.22 3484.25,2736.22 U17.70@3484.25,2734.38
  Bottom Layer w7.87: v1(2736.22,2952.76) R40.2@2787.4,2952.76 R39.2@2787.4,2883.86
COMPIN: J2.12 U17.115 | length 1168.1
  Top Layer w7.87: J2.12@3900,2125 3956.69,2181.69 3956.69,2358.14 3988.19,2389.64 4349.09,2389.64 4385.95,2426.5 4385.95,2792.01 4363,2814.96 U17.115@4307.09,2814.96
COMPOUT: J5.15 U17.114 | length 4209.6
  Top Layer w7.87: J5.15@3700,325 3700,451.97 3730.31,482.28 4378.23,482.28 4389.76,493.82 4389.76,2037.4 4370.08,2057.09 3858.27,2057.09 3848.43,2066.93 3848.43,2383.86 3870.08,2405.51 4342.52,2405.51 4370.08,2433.07 4370.08,2785.43 4360.24,2795.28 U17.114@4307.09,2795.28
CR1: R76.1 U18.6 U18.7 | length 1264.9
  Top Layer w7.87: R76.1@245.08,1901.18 245.08,1989.17 206.69,2027.56 137.8,2027.56 78.74,2086.61 78.74,2391.73 108.27,2421.26 433.07,2421.26 462.6,2391.73 462.6,2273.62 452.76,2263.78 384.45,2263.78 U18.7@379.92,2268.31 U18.6@379.92,2318.31
DDD_A\L\: U27.38
digi_pulse: C88.2 R53.2 R54.2 TP28.1 U18.5 | length 384.6
  Top Layer w7.87: C88.2@236.65,2355.85 244.09,2348.41 R53.2@244.09,2293.31 R54.2@244.09,2234.25 245.08,2235.24 C88.2@245.08,2352.36 248.57,2355.85 286.95,2355.85 TP28.1@299.41,2368.31 U18.5@379.92,2368.31
DISTRIP0: J4.26 U17.127 | length 1817.4
  Top Layer w7.87: U17.127@4307.09,3051.18 4515.75,3051.18 4545.02,3021.91 4545.02,2187.6 4737.11,1995.51 4737.11,1742.13 4717.43,1722.44 4604.33,1722.44 J4.26@4556.89,1675
DISTRIP1: J4.22 U17.131 | length 2117
  Top Layer w7.87: U17.131@4307.09,3129.92 4515.75,3129.92 4562.99,3082.68 4562.99,2191.37 4581.91,2172.46 ; J4.22@4556.89,1475 4565.55,1475 4616.14,1525.59 4733.3,1525.59 4752.98,1545.28 4752.98,2002.08 4582.26,2172.81
DISTRIP2: J4.20 U17.132 | length 2259.2
  Top Layer w7.87: U17.132@4307.09,3149.61 4517.8,3149.61 4578.37,3089.05 4578.37,2199.15 4768.86,2008.66 4768.86,1446.85 4749.17,1427.17 4616.14,1427.17 4563.98,1375 J4.20@4556.89,1375
DISTRIP3: J4.18 U17.133 | length 2406.8
  Top Layer w7.87: U17.133@4307.09,3169.29 4519.86,3169.29 4593.74,3095.41 4593.74,2205.52 4635.85,2163.41 ; J4.18@4556.89,1275 4562.4,1275 4606.3,1318.9 4763.78,1318.9 4784.73,1339.85 4784.73,2015.23 4636.2,2163.76
DISTRIP4: J4.12 U17.134 | length 2747.9
  Top Layer w7.87: U17.134@4307.09,3188.98 4521.92,3188.98 4609.11,3101.78 4609.11,2213.3 4800.61,2021.81 4800.61,1043.31 4780.92,1023.62 4606.3,1023.62 4557.68,975 J4.12@4556.89,975
DISTRIP5: J4.10 U17.137 | length 2971
  Top Layer w7.87: U17.137@4307.09,3248.03 4594.49,3248.03 4624.49,3218.03 4624.49,2220.38 4816.48,2028.39 4816.48,944.88 4796.8,925.2 4616.14,925.2 4565.94,875 J4.10@4556.89,875
DISTRIP6: J4.8 U17.138 | length 3113.7
  Top Layer w7.87: U17.138@4307.09,3267.72 4596.55,3267.72 4639.86,3224.4 4639.86,2226.75 4695.11,2171.49 ; J4.8@4556.89,775 4608.66,826.77 4812.67,826.77 4832.35,846.46 4832.35,2034.96 4695.47,2171.85
DISTRIP7: J4.6 U17.139 | length 3261.6
  Top Layer w7.87: U17.139@4307.09,3287.4 4330.71,3287.4 4598.6,3287.4 4655.24,3230.77 4655.24,2234.53 4848.23,2041.54 4848.23,738.19 4828.54,718.5 4606.3,718.5 4562.8,675 J4.6@4556.89,675